# Altium PCB 105358-3LA001-03_FP1.PcbDoc (part 1 of 2) (continued)
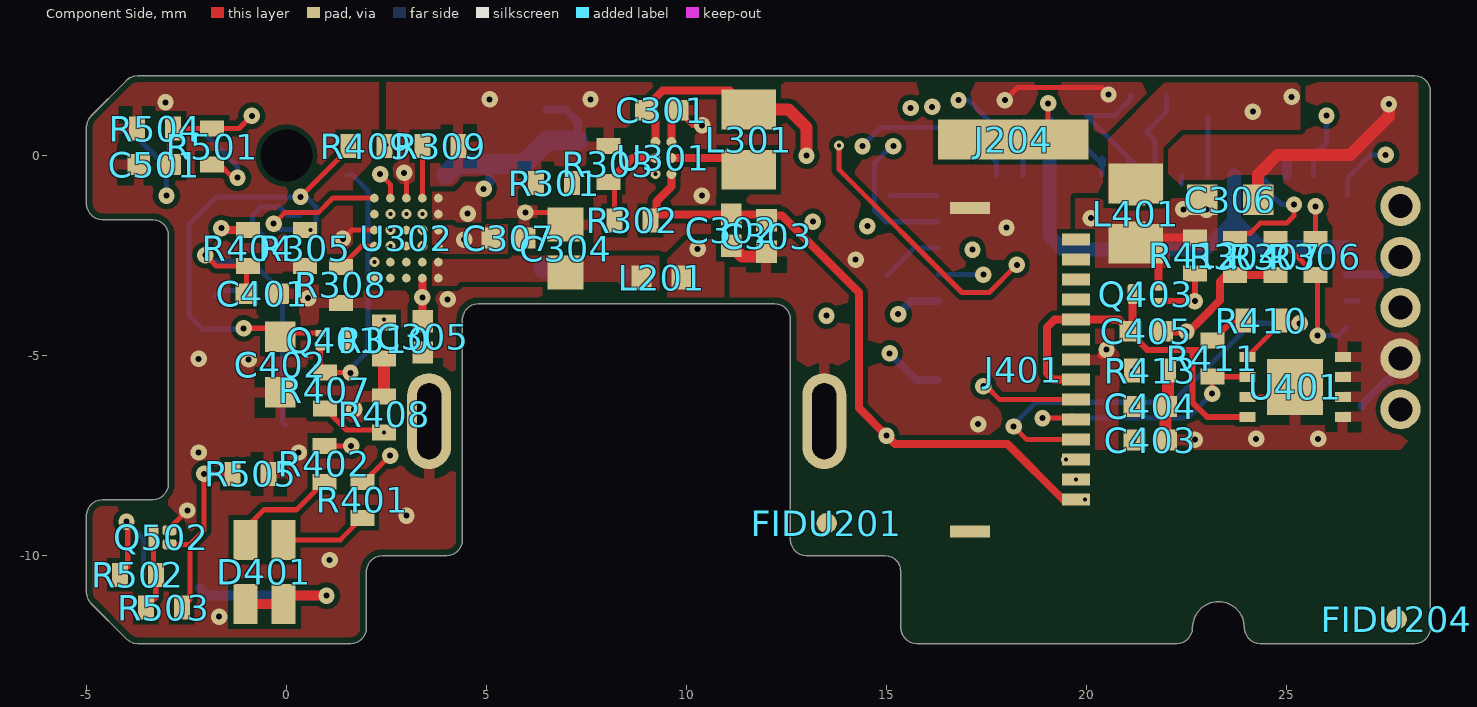
[diagram p0: Component Side view]
## Design rules (kind name [scope] priority, off if disabled: settings) (continued)
SolderMaskExpansion SolderMaskExpansion_1 [isVia And Not TestpointBottom] p2: expansion=-0.508
Width [All] p1: maxlimit=5 minlimit=0.127 preferedwidth=0.2
14 further rules are at their usual default settings.

## Classes and differential pairs
component class 3D_EXPORT: D501 J201 J202 J204 J401 MOD401 Q501 SW401 SW402
component class "Power Management": C301 C302 C303 C304 C305 C306 C307 C308 L301 R301 R302 R303 R304 R305 R306 R307 R308 R309 R310 TP301 TP302 TP303 TP304 TP305 U301 U302
component class "IR Barrier": C501 D501 Q501 Q502 R501 R502 R503 R504 R505 TP501 TP502 TP503
component class "CPU Board": C401 C402 C403 C404 C405 D401 D402 D403 D404 J401 L401 MOD401 Q401 Q402 Q403 R401 R402 R403 R404 R405 R406 R407 R408 R409 R410 R411 R412 R413 SW401 SW402 TP401 TP402 TP403 TP404 TP405 TP406 TP407 U401
component class "Block diagram": D201 FIDU201 FIDU202 FIDU203 FIDU204 J201 J202 J203 J204 L201 L202 TP201
component class FIDU: FIDU2 FIDU201 FIDU202 FIDU203 FIDU204
component class TP: J203 TP201 TP301 TP302 TP303 TP304 TP305 TP401 TP402 TP403 TP404 TP405 TP406 TP407 TP501 TP502 TP503
component class 3D_IGNORE: C304

## Components (designator, comment, footprint, x,y, rotation, side; value= is the part's Value field where it differs from the comment)
C301 "1µF-10V" 0402C_HIGH_DENSITY 9.382,1.137 r180 top
C302 "1µF-25V" 0402C_HIGH_DENSITY 11.119,-1.859 r90 top
C303 "2.2µF-16V" 0402C_HIGH_DENSITY 11.997,-2.009 r90 top
C304 "10µF-16V" 0603C_HIGH_DENSITY 6.977,-2.323 r90 top
C305 "1µF-10V" 0402C_HIGH_DENSITY 3.408,-4.531 r90 top
C306 "10µF-10V" 0603C-GENERIC 23.6,-1.09 r180 top
C307 "1µF-10V" 0402C_HIGH_DENSITY 5.55,-2.06 r180 top
C308 "4.7µF" 0402C_HIGH_DENSITY 5.126,-1.815 r90 bottom
C401 "0.1µF-10V" 0402C_HIGH_DENSITY -0.61,-3.45 r180 top
C402 "22µF" 0603C-GENERIC -0.14,-5.23 r90 top
C403 "2.2µF-16V" 0402C_HIGH_DENSITY 21.59,-7.11 r0 top
C404 "2.2µF-16V" 0402C_HIGH_DENSITY 21.59,-6.27 r180 top
C405 "1µF-10V" 0402C_HIGH_DENSITY 21.49,-4.39 r180 top
C501 "1.2nF-10V" 0402C_HIGH_DENSITY -3.302,-0.222 r0 top
D201 "LXES15AAA1-133" 0402C-GENERIC 11.712,-3.052 r180 bottom
D401 "LED OG" KPHBM-2012CGKSEKC -0.55,-10.405 r270 top
D402 "LXES15AAA1-133" 0402C-GENERIC -0.39,-2.64 r180 bottom
D403 "LXES15AAA1-133" 0402C-GENERIC 5.08,0.3 r270 bottom
D404 "LXES15AAA1-133" 0402C-GENERIC 2.55,-2.08 r180 bottom
D501 "APT1608F3C" APT1608F3C -2.89,-10.9 r0 bottom locked
FIDU201 "FIDU-miniROUND" FIDU-MINI-ROUND#1 13.506,-9.186 r90 top locked
FIDU202 "FIDU-miniROUND" FIDU-MINI-ROUND#1 13.506,-9.186 r90 bottom
FIDU203 "FIDU-miniROUND" FIDU-MINI-ROUND#1 27.756,-11.583 r90 bottom
FIDU204 "FIDU-miniROUND" FIDU-MINI-ROUND#2 27.756,-11.583 r90 top locked
J201 "USB3155" USB3155 8.506,-8.156 r90 bottom locked
J202 "0781710002" "PAD 0781710002" 7.285,-0.22 r270 bottom
J203 "CPU Prog. PADs" "PAD PROGRAMMING" 27.85,-3.8 r0 bottom
J204 "120220-0314" "PAD 1.0X1.95MM-MOD" 18.17,0.4 r270 top
J401 "5034801400" 5034801400 19.74,-5.35 r180 top locked
L201 "BLM15KD121SN1D" "0402L_High Speed" 9.382,-3.048 r180 top
L202 "BLM15KD121SN1D" "0402L_High Speed" 6.427,-2.323 r90 bottom
L301 "10µH" 0805L_HIGH_DENSITY 11.557,0.4 r270 top
L401 "BLM21PG331SN1D" "0805L_HIGH_DENSITY - Hybrid 0402" 21.23,-1.449 r270 top
MOD401 "CYBLE-214009-00" CYBLE-014008-00_MINKEEPOUT 26.894,-11.1 r180 bottom locked
Q401 "CSD23382F4" "CSD23382F4 -DFN65P100X35-3L" 1.18,-4.61 r0 top
Q402 "CSD13380F3T" CSD13380F3-DFN40P69X35-3L#1 0.51,-1.67 r0 bottom
Q403 "CSD23382F4" "CSD23382F4 -DFN65P100X35-3L" 21.48,-3.46 r180 top
Q501 "KPT-2012P3BT" APT2012P3BT -3.01,0.7 r180 bottom locked
Q502 "CSD13380F3T" CSD13380F3-DFN40P69X35-3L#2 -3.1,-9.542 r180 top
R301 "820K" 0402R-GENERIC#1 6.691,-0.687 r180 top
R302 "820K" 0402R-GENERIC#1 8.65,-1.62 r180 top
R303 "82K" 0402R-GENERIC#1 8.05,-0.21 r90 top
R304 "82K" 0402R-GENERIC#1 23.716,-2.528 r270 top
R305 "820K" 0402R-GENERIC#1 0.46,-2.31 r270 top
R306 "470K" 0402R-GENERIC#1 25.725,-2.528 r270 top
R307 "150K" 0402R-GENERIC#1 24.721,-2.528 r270 top
R308 "10K" 0402R-GENERIC#1 1.36,-3.23 r270 top
R309 "5.6K" 0402R-GENERIC#1 3.849,0.237 r180 top
R310 "41.2K" 0402R-GENERIC#1 2.443,-4.619 r90 top
R401 "43R" 0402R-GENERIC#1 1.896,-8.604 r270 top
R402 "43R" 0402R-GENERIC#1 0.948,-7.704 r270 top
R403 "Do Not Place" "0402R-GENERIC - DNP" 14.64,-0.99 r0 bottom
R404 "41.2K" 0402R-GENERIC#1 -0.96,-2.31 r270 top
R405 "Do Not Place" "0402R-GENERIC - DNP" 17.96,0.87 r0 bottom
R406 "Do Not Place" "0402R-GENERIC - DNP" 21.551,1.516 r0 bottom
R407 "390K" 0402R-GENERIC#1 0.96,-5.87 r270 top
R408 "820K" 0402R-GENERIC#1 2.44,-6.47 r270 top
R409 "82K" 0402R-GENERIC#1 2,0.237 r180 top
R410 "5.6K" 0402R-GENERIC#1 24.371,-4.127 r0 top
R411 "5.6K" 0402R-GENERIC#1 23.147,-5.076 r270 top
R412 "10K" 0402R-GENERIC#1 22.71,-2.49 r270 top
R413 "390K" 0402R-GENERIC#1 21.59,-5.372 r0 top
R501 "510R" 0402R-GENERIC#1 -1.858,0.228 r90 top
R502 "100R" 0402R-GENERIC#2 -3.718,-10.479 r0 top
R503 "Do Not Place" "0402R-GENERIC - DNP" -3.065,-11.3 r0 top
R504 "470R" 0402R-GENERIC#1 -3.284,0.678 r180 top
R505 "10K" 0402R-GENERIC#1 -0.897,-7.954 r0 top
SW401 "PTS830GG140" PTS830GG140GSMTRLFS -0.946,-5.096 r90 bottom locked
SW402 "ESE-16J001" ESE-16J001 2.752,0.29 r90 bottom
TP201 "TEST POINT" "PAD TEST POINT"#1 13.5,-4 r90 bottom
TP301 "TEST POINT" "PAD TEST POINT"#1 15,-7 r90 bottom
TP302 "TEST POINT" "PAD TEST POINT"#1 13,0 r90 bottom
TP303 "TEST POINT" "PAD TEST POINT"#2 3.224,-8.805 r90 bottom
TP304 "TEST POINT" "PAD TEST POINT"#3 6.65,1.31 r90 bottom
TP401 "TEST POINT" "PAD TEST POINT"#4 15,-2 r90 bottom
TP402 "TEST POINT" "PAD TEST POINT"#5 20,1 r90 bottom
TP403 "TEST POINT" "PAD TEST POINT"#5 21.5,0.6 r90 bottom
TP404 "TEST POINT" "PAD TEST POINT"#1 23,1 r90 bottom
TP405 "TEST POINT" "PAD TEST POINT"#1 1,-11 r90 bottom
TP406 "TEST POINT" "PAD TEST POINT"#1 26,1 r90 bottom
TP407 "TEST POINT" "PAD TEST POINT"#1 27.48,0.02 r90 bottom
TP501 "TEST POINT" "PAD TEST POINT"#6 -3,-1 r90 bottom
TP502 "TEST POINT" "PAD TEST POINT"#7 -3.99,-9.26 r90 bottom
TP503 "TEST POINT" "PAD TEST POINT"#6 -0.867,0.996 r90 bottom
U301 "TPS61046YFFR" TPS61046YFFR 9.423,-0.057 r0 top
U302 "STBC03" STBC03 2.997,-2.061 r0 top
U401 "M24256-DFCS6TP/K" UFDFPN8-M24256-DFMC6TG 25.215,-5.779 r180 top

## Footprints (in the part's own frame and the unit in brackets; to place one, negate y for a bottom-side part, rotate by r counter-clockwise, add the part's x,y. Pads: shape width x height; smd on the part's side, far side on the other; paste and mask are expansions set on the pad)
0402C-GENERIC [mm] "Chip Capacitor, 2-Leads, Body 1.00x0.50mm, IPC Medium Density"
  rect 0.52x0.62 smd: 1(-0.51,0) 2(0.51,0)
  body extent -0.53,-0.28 0.53,0.27, height 0.6
0402C_HIGH_DENSITY [mm]
  rect 0.56x0.52 smd mask+0.06: 1(-0.39,0) 2(0.39,0)
  body extent -0.53,-0.28 0.53,0.28, height 0.55
"0402L_High Speed" [mm] "SMD EMI Suppression Ferrite  Bead, body 1.0mmx0.5mm"
  rect 0.5x0.6 smd: 1(-0.5,0) 2(0.5,0)
  body extent -0.5,-0.25 0.5,0.25, height 0.5
0402R-GENERIC#1 [mm] "0402 RES"
  rect 0.4x0.6 smd mask+0.08: 1(-0.45,0) 2(0.45,0)
  body extent -0.53,-0.28 0.53,0.27, height 0.4
0402R-GENERIC#2 [mm] "0402 RES"
  rect 0.4x0.6 smd mask+0.06: 1(-0.45,0)
  rect 0.4x0.6 smd mask+0.058: 2(0.45,0)
  body extent -0.53,-0.28 0.53,0.27, height 0.4
"0402R-GENERIC - DNP" [mm] "0402 RES DNP"
  rect 0.4x0.6 smd paste-1 mask+0.08: 1(-0.45,0) 2(0.45,0)
0603C-GENERIC [mil]
  rect 30x30 smd mask+3.15: 1(-27.16,0.65) 2(27.84,0.65)
  body extent -31,-14 32,16, height 19
0603C_HIGH_DENSITY [mm]
  rect 0.85x0.9 smd mask+0.08: 1(-0.6,0) 2(0.6,0)
  body extent -0.87,-0.48 0.87,0.48, height 0.95
0805L_HIGH_DENSITY [mm]
  rect 0.99x1.37 smd: 1(-0.755,0) 2(0.755,0)
  body extent -1.1,-0.72 1.1,0.72, height 1.45
"0805L_HIGH_DENSITY - Hybrid 0402" [mm]
  rect 0.99x1.37 smd: 1(-0.755,0) 2(0.755,0)
  rect 0.6x0.5 smd: 1(-0.5,0) 2(0.5,0)
  body extent -1.1,-0.72 1.1,0.72, height 1.45
5034801400 [mm] "Pads for Molex connector to OLED Display using I2C"
  rect 0.7x0.3 smd mask+0.06: 1(0,-3.25) 2(0,-2.75) 3(0,-2.25) 4(0,-1.75) 5(0,-1.25) 6(0,-0.75) 7(0,-0.25) 8(0,0.25) 9(0,0.75) 10(0,1.25) 11(0,1.75) 12(0,2.25) 13(0,2.75) 14(0,3.25)
  rect 1x0.3 smd mask+0.08: SH(2.65,-4.04) ""(2.65,4.04)
  body extent -0.32,-4.35 3.28,4.35, height 1.88
APT1608F3C [mm] "EMITTER IR 940NM 50MA 603"
  rect 0.5x0.8 smd mask+0.05: 1(-0.675,0) 2(0.675,0)
  body extent -0.81,-0.4 0.8,0.4, height 0.75
APT2012P3BT [mm] "PHOTOTRANSISTOR IR NPN 940NM SMD"
  rect 0.8x1.1 smd mask+0.05: 1(-0.9,0)
  rect 0.5x0.2 smd mask+0.05: 2(0.75,0.436)
  rect 0.7x0.9 smd mask+0.05: 2(0.85,-0.1)
  rect 0.275x0.2 smd rot 137 mask+0.05: 2(1.032,0.369)
  body extent -1,-0.63 1,0.63, height 0.78
CSD13380F3-DFN40P69X35-3L#1 [mm] "DFN, 3-Leads, Body 0.60x0.69mm, Pitch 0.40mm, IPC High Density"
  rrect50% 0.25x0.6 smd paste-1 mask-0.05: D(0.225,0)
  rrect50% 0.15x0.5 on Bottom Paste: D(0.225,0)
  rrect50% 0.35x0.25 smd paste-1 mask-0.05: G(-0.175,0.175) S(-0.175,-0.175)
  rrect50% 0.25x0.2 on Bottom Paste: G(-0.175,0.2) S(-0.175,-0.2)
  body extent -0.36,-0.32 0.36,0.32, height 0.35
CSD13380F3-DFN40P69X35-3L#2 [mm] "DFN, 3-Leads, Body 0.60x0.69mm, Pitch 0.40mm, IPC High Density"
  rrect50% 0.25x0.6 smd paste-1 mask-0.05: D(0.225,0)
  rrect50% 0.15x0.5 on Top Paste: D(0.225,0)
  rrect50% 0.35x0.25 smd paste-1 mask-0.05: G(-0.175,0.175) S(-0.175,-0.175)
  rrect50% 0.25x0.2 on Top Paste: G(-0.175,0.2) S(-0.175,-0.2)
  body extent -0.36,-0.32 0.37,0.32, height 0.35
"CSD23382F4 -DFN65P100X35-3L" [mm] "DFN, 3-Leads, Body 0.60x1.00mm, Pitch 0.65mm, IPC High Density"
  rrect50% 0.25x0.5 smd paste-0.01 mask+0.04: D(0.325,0)
  rect 0.25x0.16 smd paste-0.02 mask+0.04: G(-0.325,0.175)
  rrect50% 0.25x0.16 smd paste-0.01 mask+0.04: S(-0.325,-0.175)
  body extent -0.52,-0.32 0.52,0.32, height 0.35
CYBLE-014008-00_MINKEEPOUT [mil]
  round 16 smd mask+2: 1(0,190) 2(0,216) 3(0,242) 4(0,268) 5(0,294) 6(0,320) 7(0,346) 8(0,372) 9(0,398) 10(48,433) 11(74,433) 12(100,433) 13(126,433) 14(152,433) 15(178,433) 16(204,433) 17(230,433) 18(256,433) 19(282,433) 20(308,433) 21(334,433) 22(360,433) 23(386,433) 24(433,398) 25(433,372) 26(433,346) 27(433,320) 28(433,294) 29(433,268) 30(433,242) 31(433,216) 32(433,190)
  rect 31x16 smd mask+2: 1(15.5,190) 2(15.5,216) 3(15.5,242) 4(15.5,268) 5(15.5,294) 6(15.5,320) 7(15.5,346) 8(15.5,372) 25(417.5,372) 26(417.5,346) 27(417.5,320) 28(417.5,294) 29(417.5,268) 30(417.5,242) 31(417.5,216) 32(417.5,190)
  rect 29x16 smd mask+2: 9(14.5,398) 24(418.5,398)
  rect 16x31 smd mask+2: 10(48,417.5) 11(74,417.5) 12(100,417.5) 13(126,417.5) 14(152,417.5) 15(178,417.5) 16(204,417.5) 17(230,417.5) 18(256,417.5) 19(282,417.5) 20(308,417.5) 21(334,417.5) 22(360,417.5) 23(386,417.5)
  body extent 1,0 434,433, height 72
ESE-16J001 [mm] "SWITCH DETECTOR SPST-NO 10MA 5V"
  rect 0.9x0.875 smd mask+0.09: 1(-0.7,1.238) 2(0.7,1.238) 3(-0.7,-1.238) 4(0.7,-1.238)
  body extent -1.67,-1.27 1.68,1.27, height 2.47
FIDU-MINI-ROUND#1 [mil]
  round 20 smd paste-78.74 mask+7.99: 1(0,0)
FIDU-MINI-ROUND#2 [mil]
  round 20 smd paste-78.74 mask+7.99: 1(-0.14,-0.02)
KPHBM-2012CGKSEKC [mm] "LED, Green, Orange, SMD"
  rect 1x0.6 smd: 1(0.8,0.475) 2(-0.8,0.475) 3(-0.8,-0.475) 4(0.8,-0.475)
  body extent -1,-0.62 1,0.63, height 0.43
"PAD 1.0X1.95MM-MOD" [mm] "UNIVERSAL CONTACT 3.5MM SMD"
  rect 1x3.76 smd paste-2 mask-2: 1(0,0)
  rect 1x1.95 smd: 1(0,0)
  body extent -0.48,-2.7 0.47,1.1, height 3.5
"PAD 0781710002" [mm] "PAD 1.20MM WTB HEADER VERT 2POS"
  rect 0.6x0.85 smd mask+0.09: 1(0.6,0) 2(-0.6,0)
  rect 0.65x0.8 smd: 3(-1.725,-3.775)
  rect 0.7x0.8 smd: 3(1.75,-3.775)
  body extent -2.05,-4.33 2.15,0.2, height 1.43
"PAD PROGRAMMING" [mm] "Programming Points"
  round 1 hole 0.6 paste-2 mask+0: 1(0,2.54) 2(0,1.27) 3(0,0) 4(0,-1.27) 5(0,-2.54)
"PAD TEST POINT"#1 [mm] "Testing Point"
  round 1 smd paste-2 mask+0: 1(0,0)
"PAD TEST POINT"#2 [mm] "Testing Point"
  round 1 smd paste-2 mask+0: 1(-0.195,-0.224)
"PAD TEST POINT"#3 [mm] "Testing Point"
  round 0.8 smd paste-2 mask-0.05: 1(-0.16,-0.15)
"PAD TEST POINT"#4 [mm] "Testing Point"
  round 1 smd paste-2 mask+0: 1(-1,0)
"PAD TEST POINT"#5 [mm] "Testing Point"
  round 0.8 smd paste-2 mask+0: 1(0,0)
"PAD TEST POINT"#6 [mm] "Testing Point"
  round 0.95 smd paste-2 mask+0: 1(0,0)
"PAD TEST POINT"#7 [mm] "Testing Point"
  round 0.8 smd paste-2 mask+0: 1(0.11,-0.01)
PTS830GG140GSMTRLFS [mm] "SWITCH TACTILE SPST-NO 0.05A 12V"
  rect 0.65x0.6 smd mask+0.05: 1(-1.575,0.85) 2(1.575,0.85) 3(-1.575,-0.85) 4(1.575,-0.85)
  rect 0.35x0.67 smd mask+0.05: 5(-1.725,0)
  rect 0.35x0.7 smd mask+0.05: 6(1.725,0)
  body extent -1.75,-1.3 1.75,1.3, height 1.4
STBC03 [mm] "Li-Ion linear battery charger with LDO and load switches"
  round 0.22 smd paste-0.01 mask+0.045: A1(-0.8,1) A3(0,1) A4(0.4,1) A5(0.8,1) B1(-0.8,0.6) B5(0.8,0.6) C1(-0.8,0.2) C3(0,0.2) C5(0.8,0.2) D1(-0.8,-0.2) D3(0,-0.2) D5(0.8,-0.2) E1(-0.8,-0.6) E5(0.8,-0.6) F1(-0.8,-1) F2(-0.4,-1) F3(0,-1) F4(0.4,-1) F5(0.8,-1)
  round 0.22 smd paste-0.05 mask+0.045: A2(-0.4,1) B2(-0.4,0.6) B3(0,0.6) B4(0.4,0.6) C2(-0.4,0.2) C4(0.4,0.2) D2(-0.4,-0.2) D4(0.4,-0.2) E2(-0.4,-0.6) E3(0,-0.6) E4(0.4,-0.6)
  body extent -1.12,-1.3 1.12,1.3, height 0.6
TPS61046YFFR [mm] "IC LED DRVR RGLTR DIM"
  round 0.25 smd mask+0.045: A1(-0.2,0.4) A2(0.2,0.4) B1(-0.2,0) B2(0.2,0) C1(-0.2,-0.4) C2(0.2,-0.4)
  body extent -0.4,-0.6 0.4,0.6, height 0.63
UFDFPN8-M24256-DFMC6TG [mm] "PSON, 8-Leads, Body 2.00x3.00mm, Pitch 0.50mm, Thermal Pad 1.40x1.40mm, IPC High Density"
  rect 0.4x0.25 smd mask+0.08: 1(-1.195,0.75) 2(-1.195,0.25) 3(-1.195,-0.25) 4(-1.195,-0.75) 5(1.195,-0.75) 6(1.195,-0.25) 7(1.195,0.25) 8(1.195,0.75)
  rect 1.4x1.4 smd paste-0.7 mask+0.08: 9(0,0)
  body extent -1.55,-1.05 1.55,1.05, height 0.45
USB3155 [mm] "USB Connector"
  rect 1x0.43 smd mask+0.07: 1(5.125,1.3) 2(5.125,0.65) 3(5.125,0) 4(5.125,-0.65) 5(5.125,-1.3)
  oval 2.4x1.1 hole 0.6 slot 1.9 at 0 deg: SH(1.52,-4.94) SH(1.52,4.94)
  body extent -1.14,-5.09 5.28,5.09, height 0.31

## Part data
C301 C305 C307 C405: library part 0402C-1uF-10V, "1µF ±10% 10V X5R Ceramic Capacitor 0402", Capacitance=1µF, Digi-Key Part Number=311-1439-1-ND, Manufacturer=Yageo, Manufacturer Part Number=CC0402KRX5R6BB105, Temperature Coefficient=X5R, Tolerance=10%, Voltage - Rated=10V, PackageReference=0402
C302: library part 0402C-1uF-25V, "CAP CER 1UF 25V X5R 0402", Capacitance=1µF, Digi-Key Part Number=587-5947-1-ND, Manufacturer="Taiyo Yuden", Manufacturer Part Number=TMK105BJ105KV-F, Temperature Coefficient=X5R, Tolerance=10%, Voltage - Rated=25V, PackageReference=0402
C303 C403 C404: library part 0402C-2,2uF-16V, "CAP CER 2.2UF 16V X5R 0402", Capacitance=2.2µF, Digi-Key Part Number=490-10455-2-ND, Manufacturer="Murata Electronics North America", Manufacturer Part Number=GRM155R61C225KE44D, Temperature Coefficient=X5R, Tolerance=10%, Voltage - Rated=16V, PackageReference=0402
C304: library part 0603C-10uF-16V, "10µF ±10% 16V X5R Ceramic Capacitor 0603", Capacitance=10µF, Digi-Key Part Number=490-12317-1-ND, Manufacturer="Murata Electronics North America", Manufacturer Part Number=GRT188R61C106KE13D, Temperature Coefficient=X5R, Tolerance=10%, Voltage - Rated=16V, ClassName=3D_IGNORE, PackageReference=0603
C306: library part 0603C-10uF-10V, "10µF ±10% 10V X5R Ceramic Capacitor 0603", Capacitance=10µF, Digi-Key Part Number=490-10474-1-ND, Manufacturer="Murata Electronics North America", Manufacturer Part Number=GRM188R61A106KE69D, Temperature Coefficient=X5R, Tolerance=10%, Voltage - Rated=10V, PackageReference=0603
C308: library part 0402C-4.7uF-6.3V, "4.7µF ±10% 6.3V X5R Ceramic Capacitor 0402", Digi-Key Part Number=445-5947-1-ND, Manufacturer="TDK Corporation", Manufacturer Part Number=C1005X5R0J475K050BC, Temperature Coefficient=X5R, Tolerance=10%, Voltage - Rated=6.3V, Capacitance=4.7µF, PackageReference=0402
C401: library part 0402C-0.1uF-10V, "0.1µF ±10% 10V X5R Ceramic Capacitor 0402", Capacitance=0.1µF, Digi-Key Part Number=311-1336-1-ND, Manufacturer=Yageo, Manufacturer Part Number=CC0402KRX5R6BB104, Temperature Coefficient=X5R, Tolerance=10%, Voltage - Rated=10V, PackageReference=0402
C402: library part 0603C-22uF-10V, "22µF ±20% 10V Ceramic Capacitor X5R 0603", Digi-Key Part Number=445-9077-2-ND, Manufacturer="TDK Corporation", Manufacturer Part Number=C1608X5R1A226M080AC, Temperature Coefficient=X5R, Tolerance=20%, Voltage - Rated=10V, Capacitance=22µF, PackageReference=0603
C501: library part 0402C-1.2nF-10V, "1.2nF ±10% 10V U2J Ceramic Capacitor 0402", Capacitance=1.2nF, Digi-Key Part Number=490-6272-1-ND, Manufacturer="Murata Electronics North America", Manufacturer Part Number=GRM1557U1A122JA01D, Temperature Coefficient=U2J, Tolerance=5%, Voltage - Rated=10V, PackageReference=0402
D201 D402 D403 D404: library part "TVS DIODE 15VWM 0402", "TVS DIODE 15VWM 0402", Capacitance @ Frequency="0.05pF @ 1MHz", Digi-Key Part Number=490-13209-1-ND, Manufacturer="Murata Electronics North America", Voltage - Reverse Standoff (Typ)=15V, Manufacturer Part Number=LXES15AAA1-133, PackageReference=0402, Type=Zener
D401: library part "LED GRN/ORNG 570NM 601NM", "LED GRN/ORNG", Color="Green, orange", Current - Test="O 30mA, G 30mA", Digi-Key Part Number=1686080, Manufacturer=Kingbright, Manufacturer Part Number=KPHBM-2012CGKSEKC, Millicandela Rating="O 250mcd, G 80mcd", Voltage - Forward (Vf) (Typ)="O 2.1V, G 2.1V", ComponentLink1Description=Datasheet, ComponentLink1URL=http://www.kingbright.com/attachments/file/psearch/000/00/00/KPHBM-2012CGKSEKC(Ver.11A).pdf, Wavelength - Peak="O 601nm, G 570nm"
D501: "0603 INFRARED DIODE", Current - DC Forward (If) (Max)=50mA, Digi-Key Part Number=754-1433-1-ND, Manufacturer=Kingbright, Operating Temperature="-40°C ~ 85°C (TA)", Voltage - Forward (Vf) (Typ)=1.2V, ClassName=3D_EXPORT, ComponentLink1Description=Datasheet, ComponentLink1URL=http://www.kingbrightusa.com/images/catalog/SPEC/APT1608F3C.pdf, Manufacturer Part Number=APT1608F3C, Mounting Type="Surface Mount", PackageReference=0603, Radiant Intensity (Ie) Min @ If="1.2mW/sr @ 20mA", Supplier 1=Digi-Key, Supplier Part Number 1=754-1433-1-ND, Type="Infrared (IR)", Viewing Angle=120°, Wavelength=940nm
J201: "CONN RCPT USB-mini B 2.0 5POS SLD", Digi-Key Part Number=2537026-Farnell, Manufacturer="GCT (GLOBAL CONNECTOR TECHNOLOGY)", Manufacturer Part Number=USB3155-30-A, ClassName=3D_EXPORT, ComponentLink1Description=Datasheet, ComponentLink1URL=https://gct.co/files/drawings/usb3155.pdf, ComponentLink2Description="Product Specification", ComponentLink2URL=https://gct.co/files/specs/usb3155-spec.pdf, Connector Type="USB - micro B"
J202: library part "CONNECTOR 1.20MM WTB HEADER VERT 2POS", "1.20MM WTB HEADER VERT 2POS", Digi-Key Part Number=WM4459CT-ND, Manufacturer="Molex, LLC", ClassName=3D_EXPORT, ComponentLink1Description=Datasheet, ComponentLink1URL=http://www.molex.com/pdm_docs/sd/781710002_sd.pdf, Manufacturer Part Number=0781710002, Mounting Type="Surface Mount"
J203: library part "PROGRAMMING PADS", "CPU Programming PADs", ClassName=TP
J204: library part "UNIVERSAL_CONTACT_3.5MM SMD", "MICRO UNIVERSAL CONTACT Z 3.5MM", Digi-Key Part Number=1003-2383-2-ND, Manufacturer="ITT Cannon, LLC", ClassName=3D_EXPORT, ComponentLink1Description=DWG, ComponentLink1URL=https://media.digikey.com/pdf/Data%20Sheets/ITT%20PDFs/Universal%20Contact%20Z%20Series.pdf, ComponentLink2Description=Datasheet, Manufacturer Part Number=120220-0314, Mounting Type="Surface Mount"
J401: library part Molex-5034801400, "Connector molex to OLED Display", Digi-Key Part Number=WM1442CT-ND, Manufacturer="Molex, LLC", ClassName=3D_EXPORT, ComponentLink1Description=Datasheet, ComponentLink1URL=http://www.molex.com/pdm_docs/sd/5034801400_sd.pdf, Contact Finish=Gold, FFC, FCB Thickness=0.30mm, Flat Flex Type="FFC, FPC", Manufacturer Part Number=5034801400, Mating Cycles=10, Number of Positions=14, Pitch="0.020\" (0.50mm)"
L201 L202: library part "0402L_FERRITE BEAD", "FERRITE BEAD 120 OHM 0402 1LN", Current Rating (Max)=1.5A, DC Resistance (DCR) (Max)="70 mOhm", Digi-Key Part Number=490-15015-1-ND, Impedance @ FRequency="120 Ohm @ 100MHz", Manufacturer="Murata Electronics North America", ComponentLink1Description=Datasheet, ComponentLink1URL=http://www.murata.com/en-us/products/productdata/8796740059166/ENFA0018.pdf, Filter Type="Signal Line", Manufacturer Part Number=BLM15KD121SN1D, Number of Lines=1, PackageReference="0402 (1005 Metric)"
L301: library part 0805L-10uH-0.39Ohm, "FIXED IND 10UH 500MA 300 MOHM", Current Rating (Max)=350mA, DCRDC Resistance (DCR)="390 mOhm Max", Digi-Key Part Number=445-6762-1-ND, Manufacturer="TDK Corporation", Manufacturer Part Number=MLZ2012N100LT000, Tolerance=20%, ComponentLink1Description=Datasheet, ComponentLink1URL=https://product.tdk.com/info/en/catalog/datasheets/inductor_commercial_decoupling_mlz2012_en.pdf, Impedance=10µH, Number of Lines=1, PackageReference=0805
L401: "0805 Ferrite Bead 330Ohm@100MHz", Current Rating (Max)=1.5A, DC Resistance (DCR) (Max)="70 mOhm", Digi-Key Part Number=490-5988-1-ND, Impedance @ FRequency="330 Ohm @ 100MHz", Manufacturer="Murata Electronics North America", ComponentLink1Description=Datasheet, ComponentLink1URL=http://www.murata.com/en-global/products/productdata/8796733767710/S0580E.pdf, Filter Type="Power Line", Manufacturer Part Number=BLM21PG331SN1D, Number of Lines=1, PackageReference="0805 (2012 Metric)"
MOD401: "BLE PSoC Module 4.1", Current - Receiving=16.4mA, Current - Transmitting=15.6mA, Digi-Key Part Number=428-3809-ND, Frequency=2.4GHz, Manufacturer="Cypress Semiconductor Corp", Power - Output=3dBm, Voltage - Supply="1.7 V ~ 5.5 V", ClassName=3D_EXPORT, ComponentLink1Description=Datasheet, ComponentLink1URL=http://www.cypress.com/file/223701/download, Data Rate=1Mbps, Manufacturer Part Number=CYBLE-214009-00, Protocol="Bluetooth v4.1", Sensitivity=-91dBm, Supplier 1=Digi-Key, Supplier Part Number 1=428-3809-ND
Q401 Q403: "MOSFET P-CH 12V 22A 3PICOSTAR", Digi-Key Part Number=296-40003-1-ND, Manufacturer="Texas Instruments", Package / Case=3-XFDFN, ComponentLink1Description=Datasheet, ComponentLink1URL=http://www.ti.com/lit/ds/symlink/csd23382f4.pdf, FET Type=P-Channel, Manufacturer Part Number=CSD23382F4
Q402 Q502: "12V N-CHANNEL FEMTOFET MOSFET", Manufacturer="Texas Instruments", Package / Case=3-XFDFN, ComponentLink1Description=Datasheet, ComponentLink1URL=http://www.ti.com/lit/ds/symlink/csd13380f3.pdf, Digi-Key Part Number=CSD13380F3T, FET Type=N-Channel, Manufacturer Part Number=CSD13380F3T
Q501: library part APT2012P3BT, "0805 PHOTOTRANSISTOR", Current - Collector (Ic) (Max)=1mA, Current - Dark (Id) (Max)=100nA, Digi-Key Part Number=754-1436-1-ND, Manufacturer=Kingbright, Power - Max=100mW, Voltage - Collector Emitter Breakdown (Max)=30V, ClassName=3D_EXPORT, ComponentLink1Description=Datasheet, ComponentLink1URL=https://www.kingbrightusa.com/images/catalog/spec/APT2012P3BT.pdf, Manufacturer Part Number=KPT-2012P3BT, PackageReference=0805, Supplier 1=Digi-Key, Supplier Part Number 1=754-1436-1-ND
R301 R302 R305 R408: library part "0402R-820k OHM-1%-0.063W", "RES SMD 820kOHM 1% 1/16W 0402", Digi-Key Part Number=YAG3240CT-ND, Manufacturer=Yageo, Manufacturer Part Number=RC0402FR-07820KL, Power=0.063W, Resistance (Ohms)=820KOhm, Tolerance=1%, GENERIC_OK=YES, PackageReference=0402
R303 R304 R409: library part "0402R-82k OHM-1%-0.063W", "RES SMD 82kOHM 1% 1/16W 0402", Digi-Key Part Number=311-82.0KLRCT-ND, Manufacturer=Yageo, Manufacturer Part Number=RC0402FR-0782KL, Power=0.063W, Resistance (Ohms)=82KOhm, Tolerance=1%, GENERIC_OK=YES, PackageReference=0402
R306: library part "0402R-470K OHM-1%-0.063W", "RES SMD 470K OHM 1% 1/16W 0402", Power=0.063W, Resistance (Ohms)=470KOhm, Tolerance=1%, Features="Moisture Resistant", GENERIC_OK=YES, PackageReference=0402
R307: library part "0402R-150k OHM-5%-0.063W", "RES SMD 150kOHM 5% 1/16W 0402", Digi-Key Part Number=311-150KJRCT-ND, Manufacturer=Yageo, Manufacturer Part Number=RC0402JR-07150KL, Power=0.063W, Resistance (Ohms)=150KOhm, Tolerance=5%, Features="Moisture Resistant", GENERIC_OK=YES, PackageReference=0402
R308 R412 R505: library part "0402R-10k OHM-1%-0.063W", "RES SMD 10kOHM 1% 1/16W 0402", Digi-Key Part Number=311-10.0KLRCT-ND, Manufacturer=Yageo, Manufacturer Part Number=RC0402FR-0710KL, Power=0.063W, Resistance (Ohms)=10KOhm, Tolerance=1%, Features="Moisture Resistant", GENERIC_OK=YES, PackageReference=0402
R309 R410 R411: library part "0402R-5.6k OHM-5%-0.063W", "RES SMD 5.6kOHM 5% 1/16W 0402", Digi-Key Part Number=311-5.6KJRCT-ND, Manufacturer=Yageo, Manufacturer Part Number=RC0402JR-075K6L, Power=0.063W, Resistance (Ohms)=5.6KOhm, Tolerance=5%, GENERIC_OK=YES, PackageReference=0402
R310 R404: library part "0402R-41.2k OHM-1%-0.063W", "RES SMD 41.2kOHM 1% 1/16W 0402", Digi-Key Part Number=YAG3155CT-ND, Manufacturer=Yageo, Manufacturer Part Number=RC0402FR-0741K2L, Power=0.063W, Resistance (Ohms)=41.2KOhm, Tolerance=1%, GENERIC_OK=YES, PackageReference=0402
R401 R402: library part "0402R- 43 OHM-1%-0.063W", "RES SMD 43 OHM 5% 1/16W 0402", Digi-Key Part Number=311-43JRCT-ND, Manufacturer=Yageo, Manufacturer Part Number=RC0402JR-0743RL, Power=0.063W, Resistance (Ohms)=43Ohm, Tolerance=1%, Features="Moisture Resistant", GENERIC_OK=YES, PackageReference=0402
R403 R405 R406 R503: library part "0402R-Do Not Place"
R407 R413: library part "0402R-390k OHM-1%-0.063W", "RES SMD 390kOHM 1% 1/16W 0402", Digi-Key Part Number=YAG3143CT-ND, Manufacturer=Yageo, Manufacturer Part Number=RC0402FR-07390KL, Power=0.063W, Resistance (Ohms)=390KOhm, Tolerance=1%, Features="Moisture Resistant", GENERIC_OK=YES, PackageReference=0402
R501: library part "0402R-510 OHM-1%-0.063W", "RES SMD 510OHM 1% 1/16W 0402", Power=0.063W, Resistance (Ohms)=510Ohm, Tolerance=1%, Features="Moisture Resistant", GENERIC_OK=YES, PackageReference=0402
R502: library part "0402R-100 OHM-1%-0.063W", "RES SMD 100OHM 1% 1/16W 0402", Digi-Key Part Number=311-100LRCT-ND, Manufacturer=Yageo, Manufacturer Part Number=RC0402FR-07100RL, Power=0.063W, Resistance (Ohms)=100Ohm, Tolerance=1%, Features="Moisture Resistant", GENERIC_OK=YES, PackageReference=0402